# KiCad board latentpink.kicad_pcb (continued)
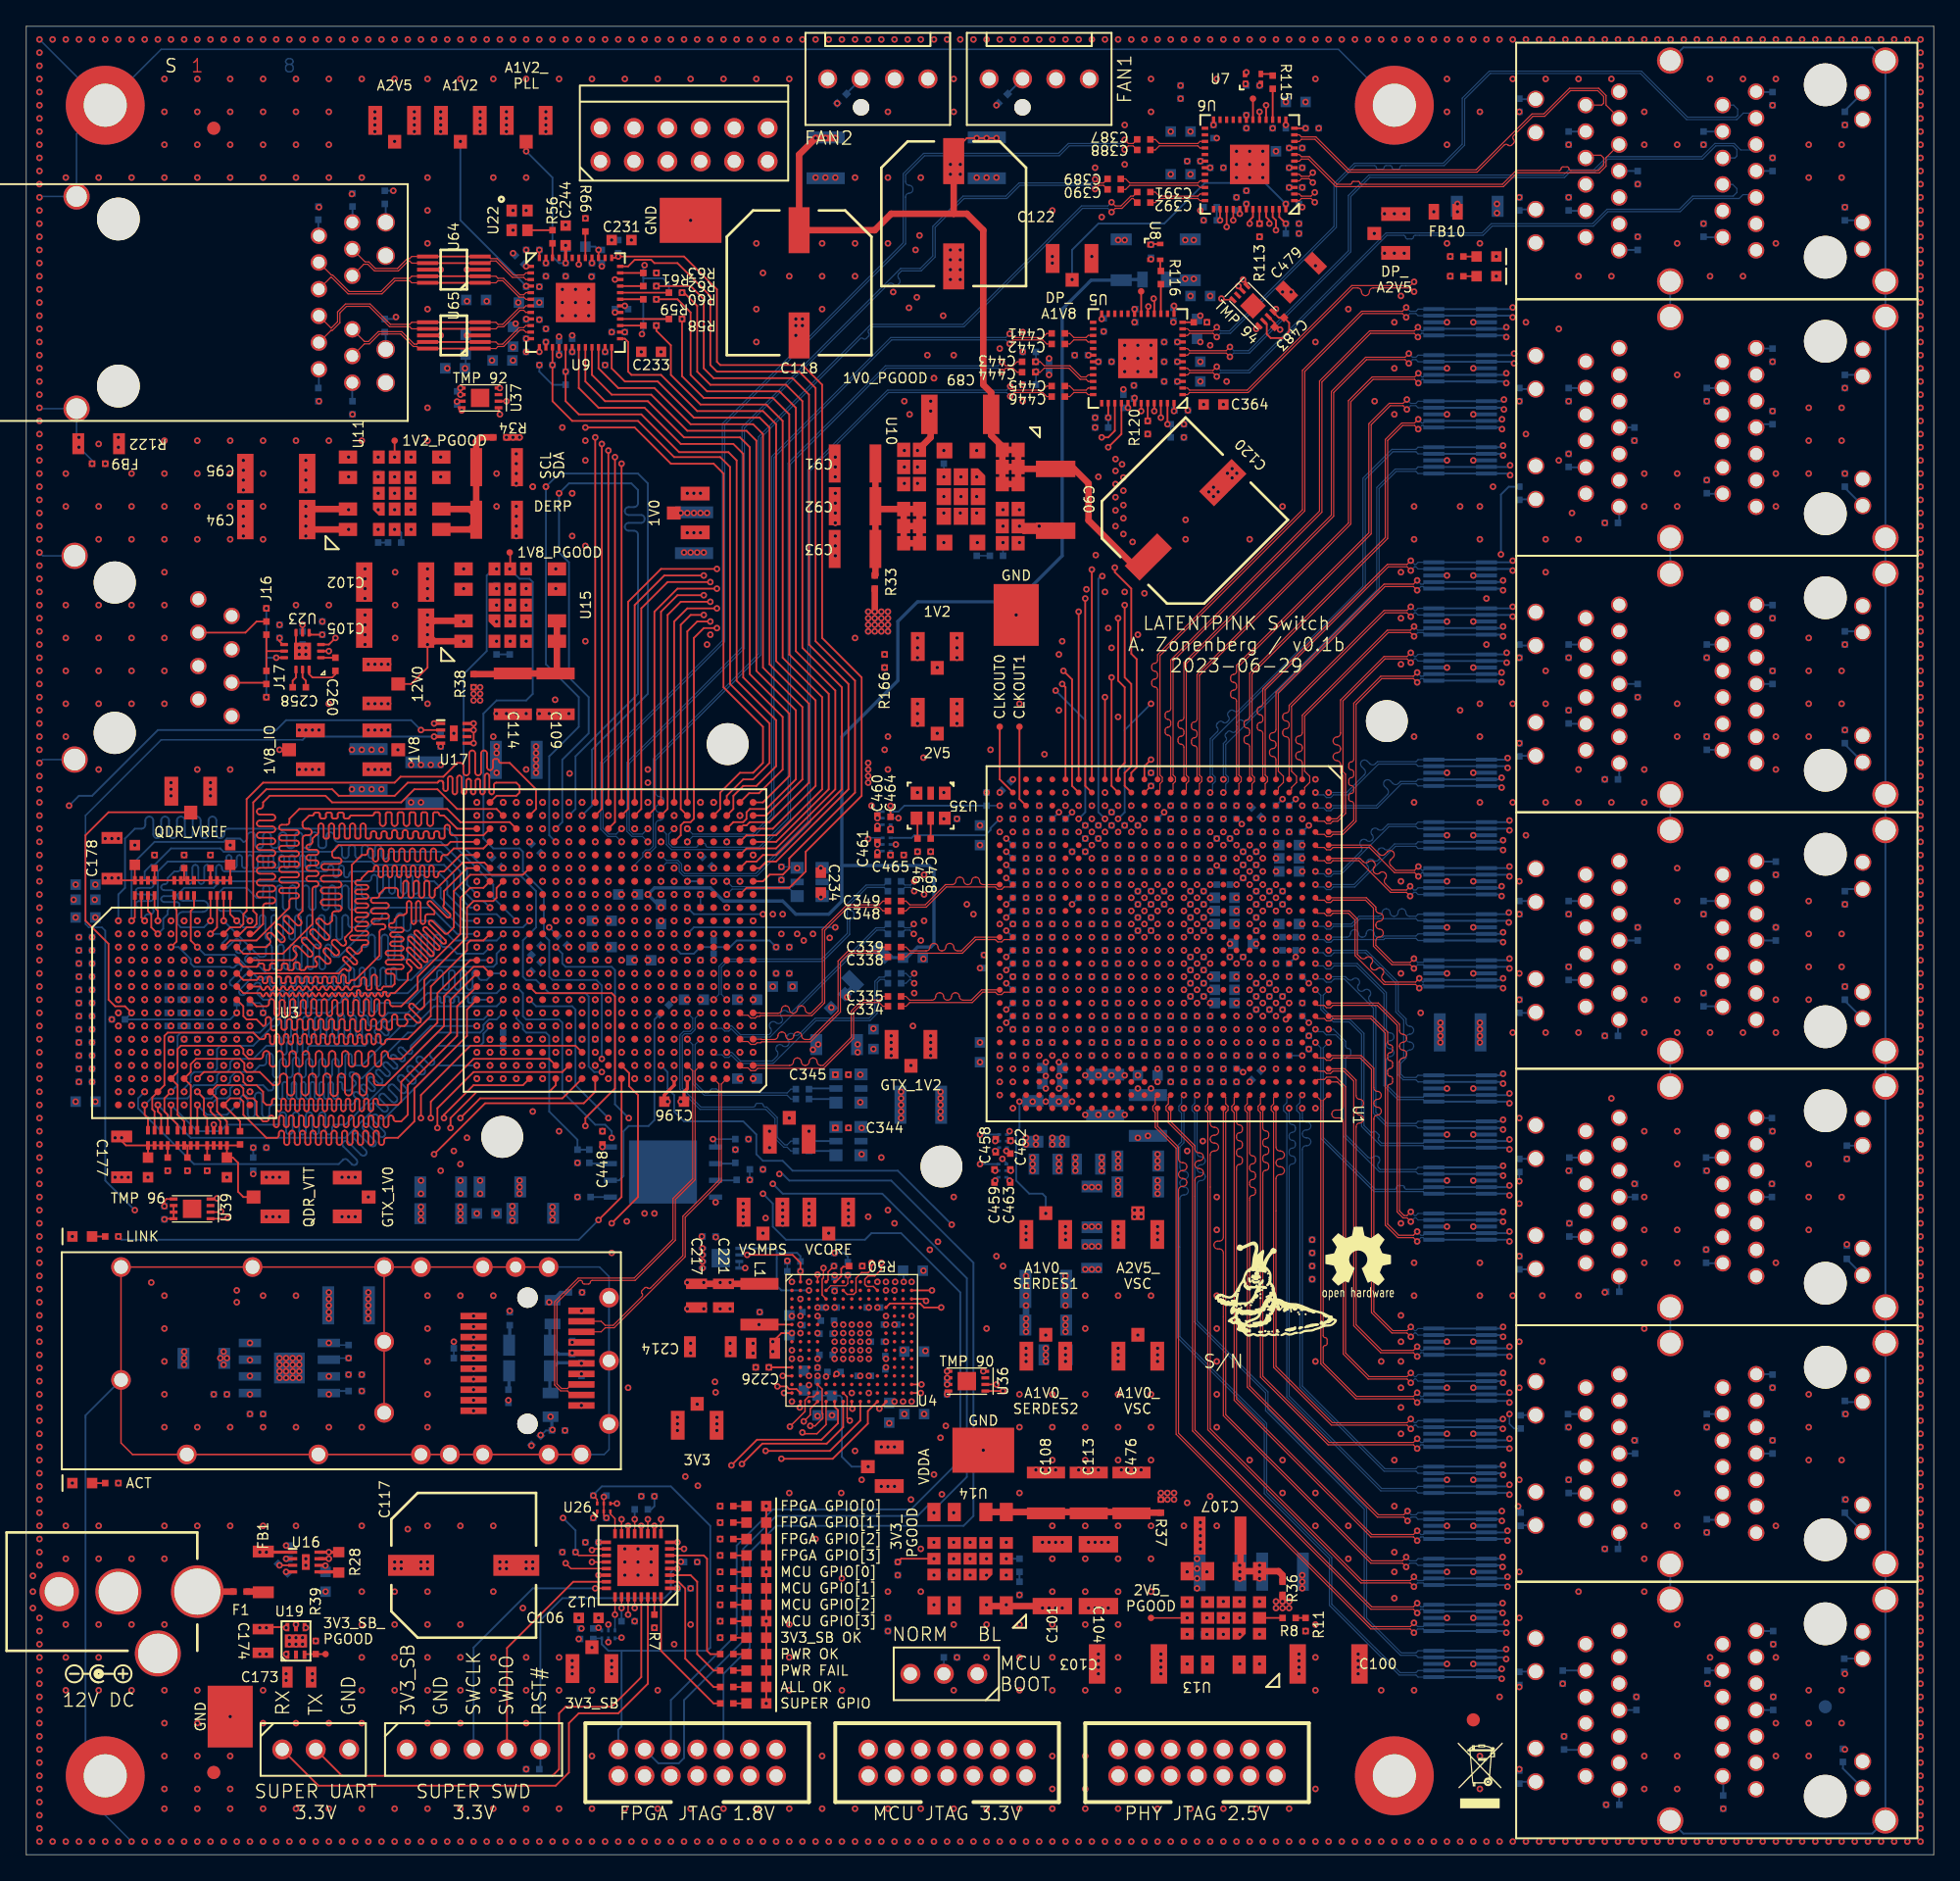
[diagram p0: board, top side]
## Routing (per net, layer and track width the routed paths; a pad name or vN(x,y) marks a point on that pad's centre or on a via; arc(x,y) is an arc through that point) (continued)
/FPGA/QDR SRAM/QDR_A2: length 49.1
  Top w0.14: RN1.6 14.5,70.5 v1(14,70)
  Bottom w0.14: v1(14,70) 15.25,70 arc(15.32,69.82) 15.25,69.65 14.93,69.33 arc(14.86,69.15) 14.93,68.97 arc(15.11,68.9) 15.29,68.97 15.89,69.58 arc(15.99,69.62) 16.1,69.58 16.24,69.43 arc(16.28,69.33) 16.24,69.22 15.97,68.96 arc(15.91,68.8) 15.97,68.64 16.01,68.6 arc(16.17,68.54) 16.33,68.6 16.59,68.87 arc(16.7,68.91) 16.81,68.87 16.95,68.73 arc(16.99,68.62) 16.95,68.52 16.68,68.25 arc(16.62,68.09) 16.68,67.93 16.72,67.9 arc(16.88,67.83) 17.04,67.9 17.3,68.16 arc(17.41,68.21) 17.51,68.16 17.65,68.02 arc(17.7,67.91) 17.65,67.81 arc(17.61,67.7) 17.65,67.6 18.25,67 23.5,67 25.5,69 25.75,69 arc(25.93,69.07) 26,69.25 26,69.7 arc(26.07,69.88) 26.25,69.95 arc(26.43,69.88) 26.5,69.7 26.5,68.3 arc(26.57,68.12) 26.75,68.05 arc(26.93,68.12) 27,68.3 27,69.7 arc(27.07,69.88) 27.25,69.95 arc(27.43,69.88) 27.5,69.7 27.5,68.3 arc(27.57,68.12) 27.75,68.05 arc(27.93,68.12) 28,68.3 28,69.7 arc(28.07,69.88) 28.25,69.95 arc(28.43,69.88) 28.5,69.7 28.5,68.3 arc(28.57,68.12) 28.75,68.05 arc(28.93,68.12) 29,68.3 29,69.7 arc(29.07,69.88) 29.25,69.95 arc(29.43,69.88) 29.5,69.7 29.5,68.3 arc(29.57,68.12) 29.75,68.05 arc(29.93,68.12) 30,68.3 30,69.7 arc(30.07,69.88) 30.25,69.95 arc(30.43,69.88) 30.5,69.7 30.5,68.5 arc(30.57,68.32) 30.75,68.25 arc(30.93,68.32) 31,68.5 31,69.7 arc(31.07,69.88) 31.25,69.95 arc(31.43,69.88) 31.5,69.7 31.5,69.25 arc(31.57,69.07) 31.75,69 32.25,69 32.75,68.5 34.75,68.5 v1(35.25,69)
/FPGA/QDR SRAM/QDR_A3: length 52
  Top w0.14: RN6.5 11.25,72 11.42,71.83 11.42,69.42 v1(11,69)
  Bottom w0.14: v1(11,69) 11.58,69 12.5,68.08 12.5,67.75 12.75,67.5 15.5,67.5 arc(15.68,67.43) 15.85,67.5 15.96,67.61 arc(16.14,67.68) 16.31,67.61 arc(16.39,67.43) 16.31,67.25 15.54,66.47 arc(15.46,66.3) 15.54,66.12 arc(15.71,66.05) 15.89,66.12 16.67,66.9 arc(16.84,66.97) 17.02,66.9 arc(17.09,66.72) 17.02,66.55 16.24,65.77 arc(16.17,65.59) 16.24,65.41 arc(16.42,65.34) 16.6,65.41 17.41,66.23 arc(17.59,66.3) 17.76,66.23 arc(17.84,66.05) 17.76,65.87 17.62,65.73 arc(17.55,65.56) 17.62,65.38 18,65 18.4,65 arc(18.52,65.05) 18.58,65.17 18.58,65.51 arc(18.63,65.64) 18.75,65.69 arc(18.87,65.64) 18.92,65.51 18.92,64.49 arc(18.98,64.36) 19.1,64.31 arc(19.22,64.36) 19.27,64.49 19.27,65.51 arc(19.33,65.64) 19.45,65.69 arc(19.57,65.64) 19.62,65.51 19.62,64.49 arc(19.68,64.36) 19.8,64.31 arc(19.92,64.36) 19.98,64.49 19.98,65.51 arc(20.03,65.64) 20.15,65.69 arc(20.27,65.64) 20.33,65.51 20.33,64.49 arc(20.38,64.36) 20.5,64.31 arc(20.62,64.36) 20.67,64.49 20.67,65.51 arc(20.73,65.64) 20.85,65.69 arc(20.97,65.64) 21.02,65.51 21.02,64.49 arc(21.08,64.36) 21.2,64.31 arc(21.32,64.36) 21.38,64.49 21.38,65.51 arc(21.43,65.64) 21.55,65.69 arc(21.67,65.64) 21.73,65.51 21.73,64.49 arc(21.78,64.36) 21.9,64.31 arc(22.02,64.36) 22.08,64.49 22.08,64.83 arc(22.13,64.95) 22.25,65 23,65 23.5,65.5 29,65.5 31,67.5 35.5,67.5 35.75,67.75 35.75,68.5 v1(36.25,69)
/FPGA/QDR SRAM/QDR_A4: length 49.6
  Top w0.14: v1(13,69) 12.5,69.5 12.5,71.75 12.75,72 RN6.8
  Bottom w0.14: v1(35.25,68) 30.75,68 29.25,66.5 28.33,66.5 arc(28.18,66.56) 28.12,66.7 28.12,67.24 arc(28.07,67.38) 27.92,67.44 arc(27.78,67.38) 27.72,67.24 27.72,66.21 arc(27.67,66.07) 27.53,66.01 arc(27.38,66.07) 27.33,66.21 27.33,67.24 arc(27.27,67.38) 27.12,67.44 arc(26.98,67.38) 26.92,67.24 26.92,66.21 arc(26.87,66.07) 26.73,66.01 arc(26.58,66.07) 26.52,66.21 26.52,67.24 arc(26.47,67.38) 26.33,67.44 arc(26.18,67.38) 26.12,67.24 26.12,66.21 arc(26.07,66.07) 25.92,66.01 arc(25.78,66.07) 25.73,66.21 25.73,67.24 arc(25.67,67.38) 25.52,67.44 arc(25.38,67.38) 25.33,67.24 25.33,66.21 arc(25.27,66.07) 25.12,66.01 arc(24.98,66.07) 24.92,66.21 24.92,67.24 arc(24.87,67.38) 24.73,67.44 arc(24.58,67.38) 24.52,67.24 24.52,66.21 arc(24.47,66.07) 24.33,66.01 arc(24.18,66.07) 24.12,66.21 24.12,66.79 arc(24.07,66.93) 23.92,66.99 arc(23.78,66.93) 23.73,66.79 23.73,66.21 arc(23.67,66.07) 23.52,66.01 arc(23.38,66.07) 23.33,66.21 23.33,66.62 arc(23.29,66.7) 23.21,66.74 23.04,66.74 arc(22.96,66.7) 22.92,66.62 22.92,66.21 arc(22.87,66.07) 22.73,66.01 arc(22.58,66.07) 22.52,66.21 22.52,66.62 arc(22.49,66.7) 22.41,66.74 22.24,66.74 arc(22.16,66.7) 22.12,66.62 22.12,66.21 arc(22.07,66.07) 21.92,66.01 arc(21.78,66.07) 21.73,66.21 21.73,66.62 arc(21.69,66.7) 21.61,66.74 21.44,66.74 arc(21.36,66.7) 21.33,66.62 21.33,66.21 arc(21.27,66.07) 21.12,66.01 arc(20.98,66.07) 20.92,66.21 20.92,66.62 arc(20.89,66.7) 20.81,66.74 20.64,66.74 arc(20.56,66.7) 20.52,66.62 20.52,66.21 arc(20.47,66.07) 20.33,66.01 arc(20.18,66.07) 20.12,66.21 20.12,66.62 arc(20.09,66.7) 20.01,66.74 19.84,66.74 arc(19.76,66.7) 19.73,66.62 19.73,66.21 arc(19.67,66.07) 19.52,66.01 arc(19.38,66.07) 19.33,66.21 19.33,66.62 arc(19.29,66.7) 19.21,66.74 19.04,66.74 arc(18.96,66.7) 18.92,66.62 18.92,66.21 arc(18.87,66.07) 18.73,66.01 arc(18.58,66.07) 18.52,66.21 18.52,66.5 18.52,66.5 18.52,66.62 arc(18.48,66.7) 18.4,66.74 18.24,66.74 arc(18.15,66.7) 18.12,66.62 arc(18.08,66.53) 18,66.5 17.75,66.5 15.84,68.41 13.59,68.41 v1(13,69)
/FPGA/QDR SRAM/QDR_A5: length 53.2
  Top w0.14: RN3.7 12,55.75 11.5,56.25 11.5,58.5 U3.N5 11.5,59.5 11.5,61.25 11.75,61.5 16.25,61.5 16.5,61.25 16.5,60.9 16.9,60.5 17.75,60.5 arc(17.93,60.57) 18,60.75 18,60.85 arc(18.07,61.03) 18.25,61.1 arc(18.43,61.03) 18.5,60.85 18.5,60.15 arc(18.57,59.97) 18.75,59.9 arc(18.93,59.97) 19,60.15 19,60.85 arc(19.07,61.03) 19.25,61.1 arc(19.43,61.03) 19.5,60.85 19.5,60.15 arc(19.57,59.97) 19.75,59.9 arc(19.93,59.97) 20,60.15 20,60.85 arc(20.07,61.03) 20.25,61.1 arc(20.43,61.03) 20.5,60.85 20.5,60.15 arc(20.57,59.97) 20.75,59.9 arc(20.93,59.97) 21,60.15 21,60.85 arc(21.07,61.03) 21.25,61.1 arc(21.43,61.03) 21.5,60.85 21.5,60.15 arc(21.57,59.97) 21.75,59.9 arc(21.93,59.97) 22,60.15 22,60.85 arc(22.07,61.03) 22.25,61.1 arc(22.43,61.03) 22.5,60.85 22.5,60.15 arc(22.57,59.97) 22.75,59.9 arc(22.93,59.97) 23,60.15 23,60.85 arc(23.07,61.03) 23.25,61.1 arc(23.43,61.03) 23.5,60.85 23.5,60.15 arc(23.57,59.97) 23.75,59.9 arc(23.93,59.97) 24,60.15 24,60.85 arc(24.07,61.03) 24.25,61.1 arc(24.43,61.03) 24.5,60.85 24.5,60.15 arc(24.57,59.97) 24.75,59.9 arc(24.93,59.97) 25,60.15 25,60.85 arc(25.07,61.03) 25.25,61.1 arc(25.43,61.03) 25.5,60.85 25.5,60.15 arc(25.57,59.97) 25.75,59.9 arc(25.93,59.97) 26,60.15 26,60.85 arc(26.07,61.03) 26.25,61.1 arc(26.43,61.03) 26.5,60.85 26.5,60.15 arc(26.57,59.97) 26.75,59.9 arc(26.93,59.97) 27,60.15 27,60.85 arc(27.07,61.03) 27.25,61.1 arc(27.43,61.03) 27.5,60.85 27.5,60.75 arc(27.57,60.57) 27.75,60.5 28.5,60.5 31.25,63.25 31.25,65.5 33.75,68 U2.K22
/FPGA/QDR SRAM/QDR_A6: length 53.3
  Top w0.14: RN3.6 12.5,58.5 U3.N6 12.5,59.5 12.5,60.1 12.9,60.5 16.25,60.5 16.58,60.17 16.58,59.67 16.75,59.5 17.75,59.5 18.75,58.5 19,58.5 arc(19.19,58.58) 19.27,58.78 19.27,59.11 arc(19.36,59.3) 19.55,59.38 arc(19.74,59.3) 19.83,59.11 19.83,57.99 arc(19.91,57.8) 20.1,57.72 arc(20.29,57.8) 20.38,57.99 20.38,59.11 arc(20.46,59.3) 20.65,59.38 arc(20.84,59.3) 20.92,59.11 20.92,57.99 arc(21.01,57.8) 21.2,57.72 arc(21.39,57.8) 21.48,57.99 21.48,59.11 arc(21.56,59.3) 21.75,59.38 arc(21.94,59.3) 22.02,59.11 22.02,57.99 arc(22.11,57.8) 22.3,57.72 arc(22.49,57.8) 22.58,57.99 22.58,59.11 arc(22.66,59.3) 22.85,59.38 arc(23.04,59.3) 23.12,59.11 23.12,57.94 arc(23.21,57.75) 23.4,57.67 arc(23.59,57.75) 23.67,57.94 23.67,59.11 arc(23.76,59.3) 23.95,59.38 arc(24.14,59.3) 24.23,59.11 24.23,57.99 arc(24.31,57.8) 24.5,57.72 arc(24.69,57.8) 24.77,57.99 24.77,59.11 arc(24.86,59.3) 25.05,59.38 arc(25.24,59.3) 25.33,59.11 25.33,57.99 arc(25.41,57.8) 25.6,57.72 arc(25.79,57.8) 25.88,57.99 25.88,59.11 arc(25.96,59.3) 26.15,59.38 arc(26.34,59.3) 26.42,59.11 26.42,58.78 arc(26.51,58.58) 26.7,58.5 27.25,58.5 31.75,63 31.75,65.25 34,67.5 34.75,67.5 U2.J21
/FPGA/QDR SRAM/QDR_A7: length 53.1
  Top w0.14: v1(13,59) 13.5,59.5 16.25,59.5 16.5,59.25 16.5,58.75 16.75,58.5 17.5,58.5 18,58 18,57.25 18.25,57 18.5,57 arc(18.62,57.05) 18.67,57.17 18.67,57.31 arc(18.73,57.43) 18.85,57.48 arc(18.97,57.43) 19.02,57.31 19.02,56.69 arc(19.08,56.57) 19.2,56.52 arc(19.32,56.57) 19.38,56.69 19.38,57.31 arc(19.43,57.43) 19.55,57.48 arc(19.67,57.43) 19.73,57.31 19.73,56.69 arc(19.78,56.57) 19.9,56.52 arc(20.02,56.57) 20.08,56.69 20.08,57.31 arc(20.13,57.43) 20.25,57.48 arc(20.37,57.43) 20.42,57.31 20.42,56.69 arc(20.48,56.57) 20.6,56.52 arc(20.72,56.57) 20.77,56.69 20.77,57.31 arc(20.83,57.43) 20.95,57.48 arc(21.07,57.43) 21.12,57.31 21.12,56.69 arc(21.18,56.57) 21.3,56.52 arc(21.42,56.57) 21.48,56.69 21.48,57.31 arc(21.53,57.43) 21.65,57.48 arc(21.77,57.43) 21.83,57.31 21.83,56.69 arc(21.88,56.57) 22,56.52 arc(22.12,56.57) 22.17,56.69 22.17,57.31 arc(22.23,57.43) 22.35,57.48 arc(22.47,57.43) 22.52,57.31 22.52,56.69 arc(22.58,56.57) 22.7,56.52 arc(22.82,56.57) 22.88,56.69 22.88,57.31 arc(22.93,57.43) 23.05,57.48 arc(23.17,57.43) 23.23,57.31 23.23,56.69 arc(23.28,56.57) 23.4,56.52 arc(23.52,56.57) 23.58,56.69 23.58,57.31 arc(23.63,57.43) 23.75,57.48 arc(23.87,57.43) 23.92,57.31 23.92,56.69 arc(23.98,56.57) 24.1,56.52 arc(24.22,56.57) 24.27,56.69 24.27,57.31 arc(24.33,57.43) 24.45,57.48 arc(24.57,57.43) 24.62,57.31 24.62,56.69 arc(24.68,56.57) 24.8,56.52 arc(24.92,56.57) 24.98,56.69 24.98,57.31 arc(25.03,57.43) 25.15,57.48 arc(25.27,57.43) 25.33,57.31 25.33,56.69 arc(25.38,56.57) 25.5,56.52 arc(25.62,56.57) 25.67,56.69 25.67,57.31 arc(25.73,57.43) 25.85,57.48 arc(25.97,57.43) 26.02,57.31 26.02,56.69 arc(26.08,56.57) 26.2,56.52 arc(26.32,56.57) 26.38,56.69 26.38,57.31 arc(26.43,57.43) 26.55,57.48 arc(26.67,57.43) 26.73,57.31 26.73,57.17 arc(26.78,57.05) 26.9,57 28.25,57 28.5,57.25 28.5,58.75 32.25,62.5 32.25,65 U2.J22
  In2.Cu w0.115: v1(13,59) 12.5,58.5 12.5,56.75 13.75,55.5 v1(14.25,55.5)
/FPGA/QDR SRAM/QDR_A8: length 54.2
  Top w0.14: RN5.7 9.75,56.5 9.58,56.67 9.58,57.58 U3.P4 10.5,58.5 10.5,62.25 10.75,62.5 17.25,62.5 17.75,62 18,62 arc(18.12,62.05) 18.17,62.17 18.17,62.22 arc(18.23,62.35) 18.35,62.4 arc(18.47,62.35) 18.52,62.22 18.52,61.78 arc(18.58,61.65) 18.7,61.6 arc(18.82,61.65) 18.88,61.78 18.88,62.22 arc(18.93,62.35) 19.05,62.4 arc(19.17,62.35) 19.23,62.22 19.23,61.78 arc(19.28,61.65) 19.4,61.6 arc(19.52,61.65) 19.58,61.78 19.58,62.22 arc(19.63,62.35) 19.75,62.4 arc(19.87,62.35) 19.92,62.22 19.92,61.78 arc(19.98,61.65) 20.1,61.6 arc(20.22,61.65) 20.27,61.78 20.27,62.22 arc(20.33,62.35) 20.45,62.4 arc(20.57,62.35) 20.62,62.22 20.62,61.78 arc(20.68,61.65) 20.8,61.6 arc(20.92,61.65) 20.98,61.78 20.98,62.22 arc(21.03,62.35) 21.15,62.4 arc(21.27,62.35) 21.33,62.22 21.33,61.78 arc(21.38,61.65) 21.5,61.6 arc(21.62,61.65) 21.67,61.78 21.67,62.22 arc(21.73,62.35) 21.85,62.4 arc(21.97,62.35) 22.02,62.22 22.02,61.78 arc(22.08,61.65) 22.2,61.6 arc(22.32,61.65) 22.38,61.78 22.38,62.22 arc(22.43,62.35) 22.55,62.4 arc(22.67,62.35) 22.73,62.22 22.73,61.78 arc(22.78,61.65) 22.9,61.6 arc(23.02,61.65) 23.08,61.78 23.08,62.22 arc(23.13,62.35) 23.25,62.4 arc(23.37,62.35) 23.42,62.22 23.42,61.78 arc(23.48,61.65) 23.6,61.6 arc(23.72,61.65) 23.77,61.78 23.77,62.22 arc(23.83,62.35) 23.95,62.4 arc(24.07,62.35) 24.12,62.22 24.12,61.78 arc(24.18,61.65) 24.3,61.6 arc(24.42,61.65) 24.48,61.78 24.48,62.22 arc(24.53,62.35) 24.65,62.4 arc(24.77,62.35) 24.83,62.22 24.83,61.78 arc(24.88,61.65) 25,61.6 arc(25.12,61.65) 25.17,61.78 25.17,62.17 arc(25.23,62.3) 25.35,62.35 arc(25.47,62.3) 25.52,62.17 25.52,61.78 arc(25.58,61.65) 25.7,61.6 arc(25.82,61.65) 25.88,61.78 25.88,62.22 arc(25.93,62.35) 26.05,62.4 arc(26.17,62.35) 26.23,62.22 26.23,61.78 arc(26.28,61.65) 26.4,61.6 arc(26.52,61.65) 26.58,61.78 26.58,62.22 arc(26.63,62.35) 26.75,62.4 arc(26.87,62.35) 26.92,62.22 26.92,61.78 arc(26.98,61.65) 27.1,61.6 arc(27.22,61.65) 27.28,61.78 27.28,61.83 arc(27.33,61.95) 27.45,62 29,62 30.75,63.75 30.75,66 33.5,68.75 33.5,69.25 33.75,69.5 34.75,69.5 U2.M21
/FPGA/QDR SRAM/QDR_A9: length 49.2
  Top w0.14: v1(11,58) 10.5,57.5 10.5,56.5 10.75,56.25 RN5.5
  Bottom w0.14: v1(11,58) 11.5,58.5 11.5,62.25 11.75,62.5 17.75,62.5 19.25,64 23,64 23.75,64.75 arc(23.91,64.82) 23.98,64.97 23.98,65 arc(24.04,65.16) 24.2,65.22 arc(24.36,65.16) 24.42,65 24.42,64.25 arc(24.49,64.09) 24.65,64.03 arc(24.81,64.09) 24.88,64.25 24.88,65 arc(24.94,65.16) 25.1,65.22 arc(25.26,65.16) 25.33,65 25.33,64.25 arc(25.39,64.09) 25.55,64.03 arc(25.71,64.09) 25.77,64.25 25.77,65 arc(25.84,65.16) 26,65.22 arc(26.16,65.16) 26.23,65 26.23,64.25 arc(26.29,64.09) 26.45,64.03 arc(26.61,64.09) 26.67,64.25 26.67,64.53 arc(26.74,64.68) 26.9,64.75 29,64.75 30.75,66.5 31,66.5 arc(31.16,66.57) 31.22,66.72 31.22,67.03 arc(31.29,67.18) 31.45,67.25 arc(31.61,67.18) 31.67,67.03 31.67,65.97 arc(31.74,65.82) 31.9,65.75 arc(32.06,65.82) 32.12,65.97 32.12,67.03 arc(32.19,67.18) 32.35,67.25 arc(32.51,67.18) 32.58,67.03 32.58,65.97 arc(32.64,65.82) 32.8,65.75 arc(32.96,65.82) 33.03,65.97 33.03,67.03 arc(33.09,67.18) 33.25,67.25 arc(33.41,67.18) 33.47,67.03 33.47,65.97 arc(33.54,65.82) 33.7,65.75 arc(33.86,65.82) 33.92,65.97 33.92,67.03 arc(33.99,67.18) 34.15,67.25 arc(34.31,67.18) 34.38,67.03 34.38,66.72 arc(34.44,66.57) 34.6,66.5 35,66.5 35.5,67 v1(36.25,67)
/FPGA/QDR SRAM/QDR_A10: length 47.5
  Top w0.14: v1(13,58) 13.5,57.5 13.5,56.25 13.75,56 RN4.8
  Bottom w0.14: v1(36.25,65) 35.75,64.5 31,64.5 29.5,63 28.5,63 25.5,60 25,60 arc(24.82,60.07) 24.75,60.25 24.75,60.68 arc(24.68,60.86) 24.5,60.93 arc(24.32,60.86) 24.25,60.68 24.25,59.32 arc(24.18,59.14) 24,59.07 arc(23.82,59.14) 23.75,59.32 23.75,60.28 arc(23.68,60.46) 23.5,60.53 arc(23.32,60.46) 23.25,60.28 23.25,59.32 arc(23.18,59.14) 23,59.07 arc(22.82,59.14) 22.75,59.32 22.75,60.28 arc(22.68,60.46) 22.5,60.53 arc(22.32,60.46) 22.25,60.28 22.25,59.32 arc(22.18,59.14) 22,59.07 arc(21.82,59.14) 21.75,59.32 21.75,60.28 arc(21.68,60.46) 21.5,60.53 arc(21.32,60.46) 21.25,60.28 21.25,59.32 arc(21.18,59.14) 21,59.07 arc(20.82,59.14) 20.75,59.32 20.75,60.38 arc(20.68,60.56) 20.5,60.63 arc(20.32,60.56) 20.25,60.38 20.25,59.32 arc(20.18,59.14) 20,59.07 arc(19.82,59.14) 19.75,59.32 19.75,60.28 arc(19.68,60.46) 19.5,60.53 arc(19.32,60.46) 19.25,60.28 19.25,59.32 arc(19.18,59.14) 19,59.07 arc(18.82,59.14) 18.75,59.32 18.75,60.68 arc(18.68,60.86) 18.5,60.93 arc(18.32,60.86) 18.25,60.68 18.25,60.25 arc(18.18,60.07) 18,60 17.75,60 17.25,59.5 15.92,59.5 15.5,59.08 15.5,58.75 15.25,58.5 14.75,58.5 14.41,58.16 14.41,57.83 14.08,57.5 13.5,57.5 v1(13,58)
/FPGA/QDR SRAM/QDR_A11: length 51
  Top w0.14: U2.H22 32.75,64.5 32.75,62.25 29,58.5 29,56.25 28.5,55.75 28.1,55.75 arc(27.97,55.81) 27.91,55.94 27.91,56.01 arc(27.86,56.14) 27.72,56.2 arc(27.59,56.14) 27.54,56.01 27.54,55.49 arc(27.48,55.36) 27.35,55.3 arc(27.21,55.36) 27.16,55.49 27.16,56.01 arc(27.1,56.14) 26.97,56.2 arc(26.83,56.14) 26.78,56.01 26.78,55.49 arc(26.72,55.36) 26.59,55.3 arc(26.45,55.36) 26.4,55.49 26.4,56.01 arc(26.34,56.14) 26.21,56.2 arc(26.08,56.14) 26.02,56.01 26.02,55.49 arc(25.96,55.36) 25.83,55.3 arc(25.7,55.36) 25.64,55.49 25.64,56.01 arc(25.58,56.14) 25.45,56.2 arc(25.32,56.14) 25.26,56.01 25.26,55.49 arc(25.21,55.36) 25.07,55.3 arc(24.94,55.36) 24.88,55.49 24.88,56.01 arc(24.83,56.14) 24.69,56.2 arc(24.56,56.14) 24.5,56.01 24.5,55.49 arc(24.45,55.36) 24.31,55.3 arc(24.18,55.36) 24.12,55.49 24.12,56.01 arc(24.07,56.14) 23.94,56.2 arc(23.8,56.14) 23.75,56.01 23.75,55.49 arc(23.69,55.36) 23.56,55.3 arc(23.42,55.36) 23.37,55.49 23.37,56.01 arc(23.31,56.14) 23.18,56.2 arc(23.04,56.14) 22.99,56.01 22.99,55.49 arc(22.93,55.36) 22.8,55.3 arc(22.66,55.36) 22.61,55.49 22.61,56.01 arc(22.55,56.14) 22.42,56.2 arc(22.29,56.14) 22.23,56.01 22.23,55.49 arc(22.17,55.36) 22.04,55.3 arc(21.91,55.36) 21.85,55.49 21.85,56.01 arc(21.79,56.14) 21.66,56.2 arc(21.53,56.14) 21.47,56.01 21.47,55.49 arc(21.42,55.36) 21.28,55.3 arc(21.15,55.36) 21.09,55.49 21.09,56.01 arc(21.04,56.14) 20.9,56.2 arc(20.77,56.14) 20.71,56.01 20.71,55.49 arc(20.66,55.36) 20.52,55.3 arc(20.39,55.36) 20.33,55.49 20.33,56.01 arc(20.28,56.14) 20.15,56.2 arc(20.01,56.14) 19.96,56.01 19.96,55.49 arc(19.9,55.36) 19.77,55.3 arc(19.63,55.36) 19.58,55.49 19.58,56.01 arc(19.52,56.14) 19.39,56.2 arc(19.25,56.14) 19.2,56.01 19.2,55.49 arc(19.14,55.36) 19.01,55.3 arc(18.87,55.36) 18.82,55.49 18.82,56.01 arc(18.76,56.14) 18.63,56.2 arc(18.5,56.14) 18.44,56.01 18.44,55.94 arc(18.38,55.81) 18.25,55.75 18,55.75 17.5,56.25 17.5,57.25 17.25,57.5 16.75,57.5 16.5,57.75 16.5,58.25 16.25,58.5 14.5,58.5 U3.P8 14.5,57.5 14.5,56.5 15.25,55.75 RN4.5
/FPGA/QDR SRAM/QDR_A12: length 45.4
  Top w0.14: RN5.8 9.25,56 9,56.25 v1(9,57)
  Bottom w0.14: v1(35.25,65) 34.4,65 arc(34.31,65.04) 34.28,65.12 arc(34.24,65.21) 34.15,65.25 34.05,65.25 arc(33.96,65.21) 33.92,65.12 33.92,64.88 arc(33.89,64.79) 33.8,64.75 33.7,64.75 arc(33.61,64.79) 33.58,64.88 33.58,65.12 arc(33.54,65.21) 33.45,65.25 33.35,65.25 arc(33.26,65.21) 33.22,65.12 33.22,64.88 arc(33.19,64.79) 33.1,64.75 33,64.75 arc(32.91,64.79) 32.88,64.88 32.88,65.12 arc(32.84,65.21) 32.75,65.25 32.65,65.25 arc(32.56,65.21) 32.53,65.12 32.53,64.88 arc(32.49,64.79) 32.4,64.75 32.3,64.75 arc(32.21,64.79) 32.17,64.88 32.17,65.12 arc(32.14,65.21) 32.05,65.25 31.95,65.25 arc(31.86,65.21) 31.83,65.12 31.83,64.88 arc(31.79,64.79) 31.7,64.75 31.6,64.75 arc(31.51,64.79) 31.47,64.88 31.47,65.12 arc(31.44,65.21) 31.35,65.25 31.25,65.25 arc(31.16,65.21) 31.12,65.12 arc(31.09,65.04) 31,65 30.75,65 29.25,63.5 27.75,63.5 27.58,63.33 arc(27.47,63.28) 27.36,63.33 arc(27.26,63.37) 27.15,63.33 27.08,63.25 arc(27.04,63.15) 27.08,63.04 27.5,62.62 arc(27.56,62.48) 27.5,62.34 arc(27.36,62.28) 27.22,62.34 26.8,62.76 arc(26.69,62.8) 26.59,62.76 26.51,62.69 arc(26.47,62.58) 26.51,62.48 26.94,62.05 arc(27,61.91) 26.94,61.77 arc(26.8,61.71) 26.66,61.77 26.09,62.34 arc(25.95,62.39) 25.81,62.34 arc(25.75,62.19) 25.81,62.05 25.91,61.95 arc(25.97,61.8) 25.91,61.66 25.75,61.5 21.6,61.5 arc(21.46,61.44) 21.4,61.3 21.4,61.02 arc(21.34,60.88) 21.2,60.82 arc(21.06,60.88) 21,61.02 21,61.67 arc(20.95,61.78) 20.83,61.83 20.77,61.83 arc(20.65,61.78) 20.6,61.67 20.6,61.07 arc(20.54,60.93) 20.4,60.87 arc(20.26,60.93) 20.2,61.07 20.2,61.67 arc(20.15,61.78) 20.03,61.83 19.97,61.83 arc(19.85,61.78) 19.8,61.67 19.8,61.02 arc(19.74,60.88) 19.6,60.82 arc(19.46,60.88) 19.4,61.02 19.4,61.98 arc(19.34,62.12) 19.2,62.18 arc(19.06,62.12) 19,61.98 19,61.7 arc(18.94,61.56) 18.8,61.5 18.25,61.5 17.25,60.5 15.75,60.5 15.5,60.25 15.5,59.75 15.25,59.5 14.75,59.5 14.5,59.25 14.5,58.75 14.25,58.5 12.75,58.5 12.5,58.25 12.5,57.75 12.25,57.5 9.5,57.5 v1(9,57)
/FPGA/QDR SRAM/QDR_A13: length 44.6
  Top w0.14: v1(10,57) 10,56.5 10.25,56.25 RN5.6
  Bottom w0.14: v1(10,57) 12.5,54.5 24.25,54.5 26.17,56.42 arc(26.24,56.58) 26.17,56.74 arc(26.11,56.9) 26.17,57.06 26.21,57.09 arc(26.37,57.16) 26.53,57.09 27.07,56.55 arc(27.25,56.47) 27.43,56.55 arc(27.5,56.72) 27.43,56.9 26.88,57.45 arc(26.81,57.6) 26.88,57.76 26.92,57.8 arc(27.07,57.87) 27.23,57.8 27.78,57.25 arc(27.96,57.18) 28.13,57.25 arc(28.21,57.43) 28.13,57.61 27.59,58.15 arc(27.52,58.31) 27.59,58.47 27.62,58.51 arc(27.78,58.57) 27.94,58.51 28.49,57.96 arc(28.66,57.89) 28.84,57.96 arc(28.91,58.14) 28.84,58.31 28.29,58.86 arc(28.23,59.02) 28.29,59.18 28.33,59.21 arc(28.49,59.28) 28.65,59.21 29.19,58.67 arc(29.37,58.59) 29.55,58.67 arc(29.62,58.84) 29.55,59.02 29,59.57 arc(28.93,59.73) 29,59.88 29.04,59.92 arc(29.2,59.99) 29.35,59.92 29.9,59.37 arc(30.08,59.3) 30.25,59.37 arc(30.33,59.55) 30.25,59.73 29.71,60.27 arc(29.64,60.43) 29.71,60.59 29.74,60.63 arc(29.9,60.69) 30.06,60.63 30.61,60.08 arc(30.78,60.01) 30.96,60.08 arc(31.03,60.26) 30.96,60.44 30.75,60.65 arc(30.68,60.82) 30.75,61 31.25,61.5 34.5,61.5 34.75,61.75 34.75,62.43 35.25,62.93 v1(35.25,63)
/FPGA/QDR SRAM/QDR_A14: length 43.8
  Top w0.14: v1(11,57) 11,56 11.5,55.5 RN3.8
  Bottom w0.14: v1(36.25,64) 35.75,63.5 35.17,63.5 34.75,63.08 34.75,62.75 34.5,62.5 31.25,62.5 24.25,55.5 23.5,55.5 arc(23.32,55.43) 23.25,55.25 23.25,55 arc(23.18,54.82) 23,54.75 arc(22.82,54.82) 22.75,55 22.75,56.2 arc(22.68,56.38) 22.5,56.45 arc(22.32,56.38) 22.25,56.2 22.25,55 arc(22.18,54.82) 22,54.75 arc(21.82,54.82) 21.75,55 21.75,56.2 arc(21.68,56.38) 21.5,56.45 arc(21.32,56.38) 21.25,56.2 21.25,55 arc(21.18,54.82) 21,54.75 arc(20.82,54.82) 20.75,55 20.75,56.2 arc(20.68,56.38) 20.5,56.45 arc(20.32,56.38) 20.25,56.2 20.25,55 arc(20.18,54.82) 20,54.75 arc(19.82,54.82) 19.75,55 19.75,56.2 arc(19.68,56.38) 19.5,56.45 arc(19.32,56.38) 19.25,56.2 19.25,55.75 arc(19.18,55.57) 19,55.5 15.25,55.5 14.75,55 13,55 v1(11,57)
/FPGA/QDR SRAM/QDR_A15: length 43.3
  Top w0.14: RN3.5 v1(13,57)
  Bottom w0.14: v1(13,57) 13.75,56.25 15.25,56.25 16,57 arc(16.19,57.08) 16.27,57.28 16.27,57.47 arc(16.36,57.67) 16.55,57.75 arc(16.74,57.67) 16.83,57.47 16.83,56.33 arc(16.91,56.13) 17.1,56.05 arc(17.29,56.13) 17.38,56.33 17.38,57.67 arc(17.46,57.87) 17.65,57.95 arc(17.84,57.87) 17.92,57.67 17.92,56.33 arc(18.01,56.13) 18.2,56.05 arc(18.39,56.13) 18.48,56.33 18.48,56.72 arc(18.56,56.92) 18.75,57 24.75,57 25.02,57.28 arc(25.08,57.42) 25.02,57.56 24.93,57.65 arc(24.87,57.79) 24.93,57.94 arc(25.07,57.99) 25.21,57.94 25.61,57.53 arc(25.76,57.48) 25.9,57.53 arc(25.96,57.68) 25.9,57.82 25.5,58.22 arc(25.44,58.36) 25.5,58.5 arc(25.64,58.56) 25.78,58.5 26.18,58.1 arc(26.32,58.04) 26.46,58.1 arc(26.52,58.24) 26.46,58.38 26.06,58.78 arc(26,58.93) 26.06,59.07 arc(26.2,59.13) 26.34,59.07 26.75,58.66 arc(26.89,58.61) 27.03,58.66 arc(27.09,58.81) 27.03,58.95 26.63,59.35 arc(26.57,59.49) 26.63,59.63 arc(26.77,59.69) 26.91,59.63 27.31,59.23 arc(27.45,59.17) 27.59,59.23 arc(27.65,59.37) 27.59,59.51 27.19,59.92 arc(27.13,60.06) 27.19,60.2 arc(27.33,60.26) 27.48,60.2 27.88,59.8 arc(28.02,59.74) 28.16,59.8 arc(28.22,59.94) 28.16,60.08 27.76,60.48 arc(27.7,60.62) 27.76,60.76 arc(27.9,60.82) 28.04,60.76 28.44,60.36 arc(28.58,60.3) 28.73,60.36 arc(28.78,60.5) 28.73,60.64 28.32,61.05 arc(28.27,61.19) 28.32,61.33 arc(28.47,61.39) 28.61,61.33 29.01,60.93 arc(29.15,60.87) 29.29,60.93 arc(29.35,61.07) 29.29,61.21 29.27,61.23 arc(29.21,61.38) 29.27,61.52 30.75,63 v1(34.25,63)
/FPGA/QDR SRAM/QDR_A16: length 45.6
  Top w0.14: 14.75,55.07 14.75,55.75 14,56.5 v1(14,57)
  Bottom w0.14: v1(35.25,64) 34.75,63.5 30.5,63.5 29.5,62.5 29,62.5 25.57,59.07 arc(25.42,59.01) 25.28,59.07 24.9,59.45 arc(24.76,59.5) 24.62,59.45 arc(24.56,59.3) 24.62,59.16 25,58.78 arc(25.06,58.64) 25,58.5 24.6,58.1 24.2,58.1 arc(24.08,58.15) 24.02,58.28 24.02,58.57 arc(23.97,58.7) 23.85,58.75 arc(23.73,58.7) 23.67,58.57 23.67,57.63 arc(23.62,57.5) 23.5,57.45 arc(23.38,57.5) 23.33,57.63 23.33,58.57 arc(23.27,58.7) 23.15,58.75 arc(23.03,58.7) 22.98,58.57 22.98,57.63 arc(22.92,57.5) 22.8,57.45 arc(22.68,57.5) 22.62,57.63 22.62,58.57 arc(22.57,58.7) 22.45,58.75 arc(22.33,58.7) 22.27,58.57 22.27,57.63 arc(22.22,57.5) 22.1,57.45 arc(21.98,57.5) 21.92,57.63 21.92,58.57 arc(21.87,58.7) 21.75,58.75 arc(21.63,58.7) 21.58,58.57 21.58,57.63 arc(21.52,57.5) 21.4,57.45 arc(21.28,57.5) 21.23,57.63 21.23,58.57 arc(21.17,58.7) 21.05,58.75 arc(20.93,58.7) 20.88,58.57 20.88,57.63 arc(20.82,57.5) 20.7,57.45 arc(20.58,57.5) 20.52,57.63 20.52,58.57 arc(20.47,58.7) 20.35,58.75 arc(20.23,58.7) 20.17,58.57 20.17,57.63 arc(20.12,57.5) 20,57.45 arc(19.88,57.5) 19.83,57.63 19.83,58.57 arc(19.77,58.7) 19.65,58.75 arc(19.53,58.7) 19.48,58.57 19.48,57.63 arc(19.42,57.5) 19.3,57.45 arc(19.18,57.5) 19.12,57.63 19.12,58.57 arc(19.07,58.7) 18.95,58.75 arc(18.83,58.7) 18.77,58.57 18.77,58.28 arc(18.72,58.15) 18.6,58.1 18.4,58.1 18,58.5 15.75,58.5 15.5,58.25 15.5,57.75 15.25,57.5 14.5,57.5 v1(14,57)
/FPGA/QDR SRAM/QDR_A17: length 49.1
  Top w0.14: U2.G22 33.5,64.25 33.5,62.25 29.5,58.25 29.5,55.75 28.25,54.5 27.4,54.5 arc(27.26,54.44) 27.2,54.3 27.2,54.15 arc(27.14,54.01) 27,53.95 arc(26.86,54.01) 26.8,54.15 26.8,54.85 arc(26.74,54.99) 26.6,55.05 arc(26.46,54.99) 26.4,54.85 26.4,54.15 arc(26.34,54.01) 26.2,53.95 arc(26.06,54.01) 26,54.15 26,54.85 arc(25.94,54.99) 25.8,55.05 arc(25.66,54.99) 25.6,54.85 25.6,54.15 arc(25.54,54.01) 25.4,53.95 arc(25.26,54.01) 25.2,54.15 25.2,54.85 arc(25.14,54.99) 25,55.05 arc(24.86,54.99) 24.8,54.85 24.8,54.15 arc(24.74,54.01) 24.6,53.95 arc(24.46,54.01) 24.4,54.15 24.4,54.85 arc(24.34,54.99) 24.2,55.05 arc(24.06,54.99) 24,54.85 24,54.15 arc(23.94,54.01) 23.8,53.95 arc(23.66,54.01) 23.6,54.15 23.6,54.85 arc(23.54,54.99) 23.4,55.05 arc(23.26,54.99) 23.2,54.85 23.2,54.15 arc(23.14,54.01) 23,53.95 arc(22.86,54.01) 22.8,54.15 22.8,54.85 arc(22.74,54.99) 22.6,55.05 arc(22.46,54.99) 22.4,54.85 22.4,54.15 arc(22.34,54.01) 22.2,53.95 arc(22.06,54.01) 22,54.15 22,54.85 arc(21.94,54.99) 21.8,55.05 arc(21.66,54.99) 21.6,54.85 21.6,54.15 arc(21.54,54.01) 21.4,53.95 arc(21.26,54.01) 21.2,54.15 21.2,54.85 arc(21.14,54.99) 21,55.05 arc(20.86,54.99) 20.8,54.85 20.8,54.15 arc(20.74,54.01) 20.6,53.95 arc(20.46,54.01) 20.4,54.15 20.4,54.85 arc(20.34,54.99) 20.2,55.05 arc(20.06,54.99) 20,54.85 20,54.15 arc(19.94,54.01) 19.8,53.95 arc(19.66,54.01) 19.6,54.15 19.6,54.85 arc(19.54,54.99) 19.4,55.05 arc(19.26,54.99) 19.2,54.85 19.2,54.7 arc(19.14,54.56) 19,54.5 18.25,54.5 16.5,56.25 16.5,57.25 16.25,57.5 15.5,57.5 U3.R9 16.25,55.75 R112.1
